# Altium PCB Graviton_11JAN15.PcbDoc (part 6 of 11)
Units mil, origin at the board's own origin, x right, y up, seen from the top; angles counter-clockwise.
Board outline 7874.02 x 7874.02 mil, 10 copper layers (Top Layer, Internal Plane 2, Signal Layer 2, Internal Plane 3, Signal Layer 4, Signal Layer 5, Internal Plane 4, Signal Layer 7, Internal Plane 1, Bottom Layer), stack 78.455 mil thick; 1275 components, 1501 nets, 7937 pads, 1712 vias.
Unrouted connection lines stored in the file: 273.
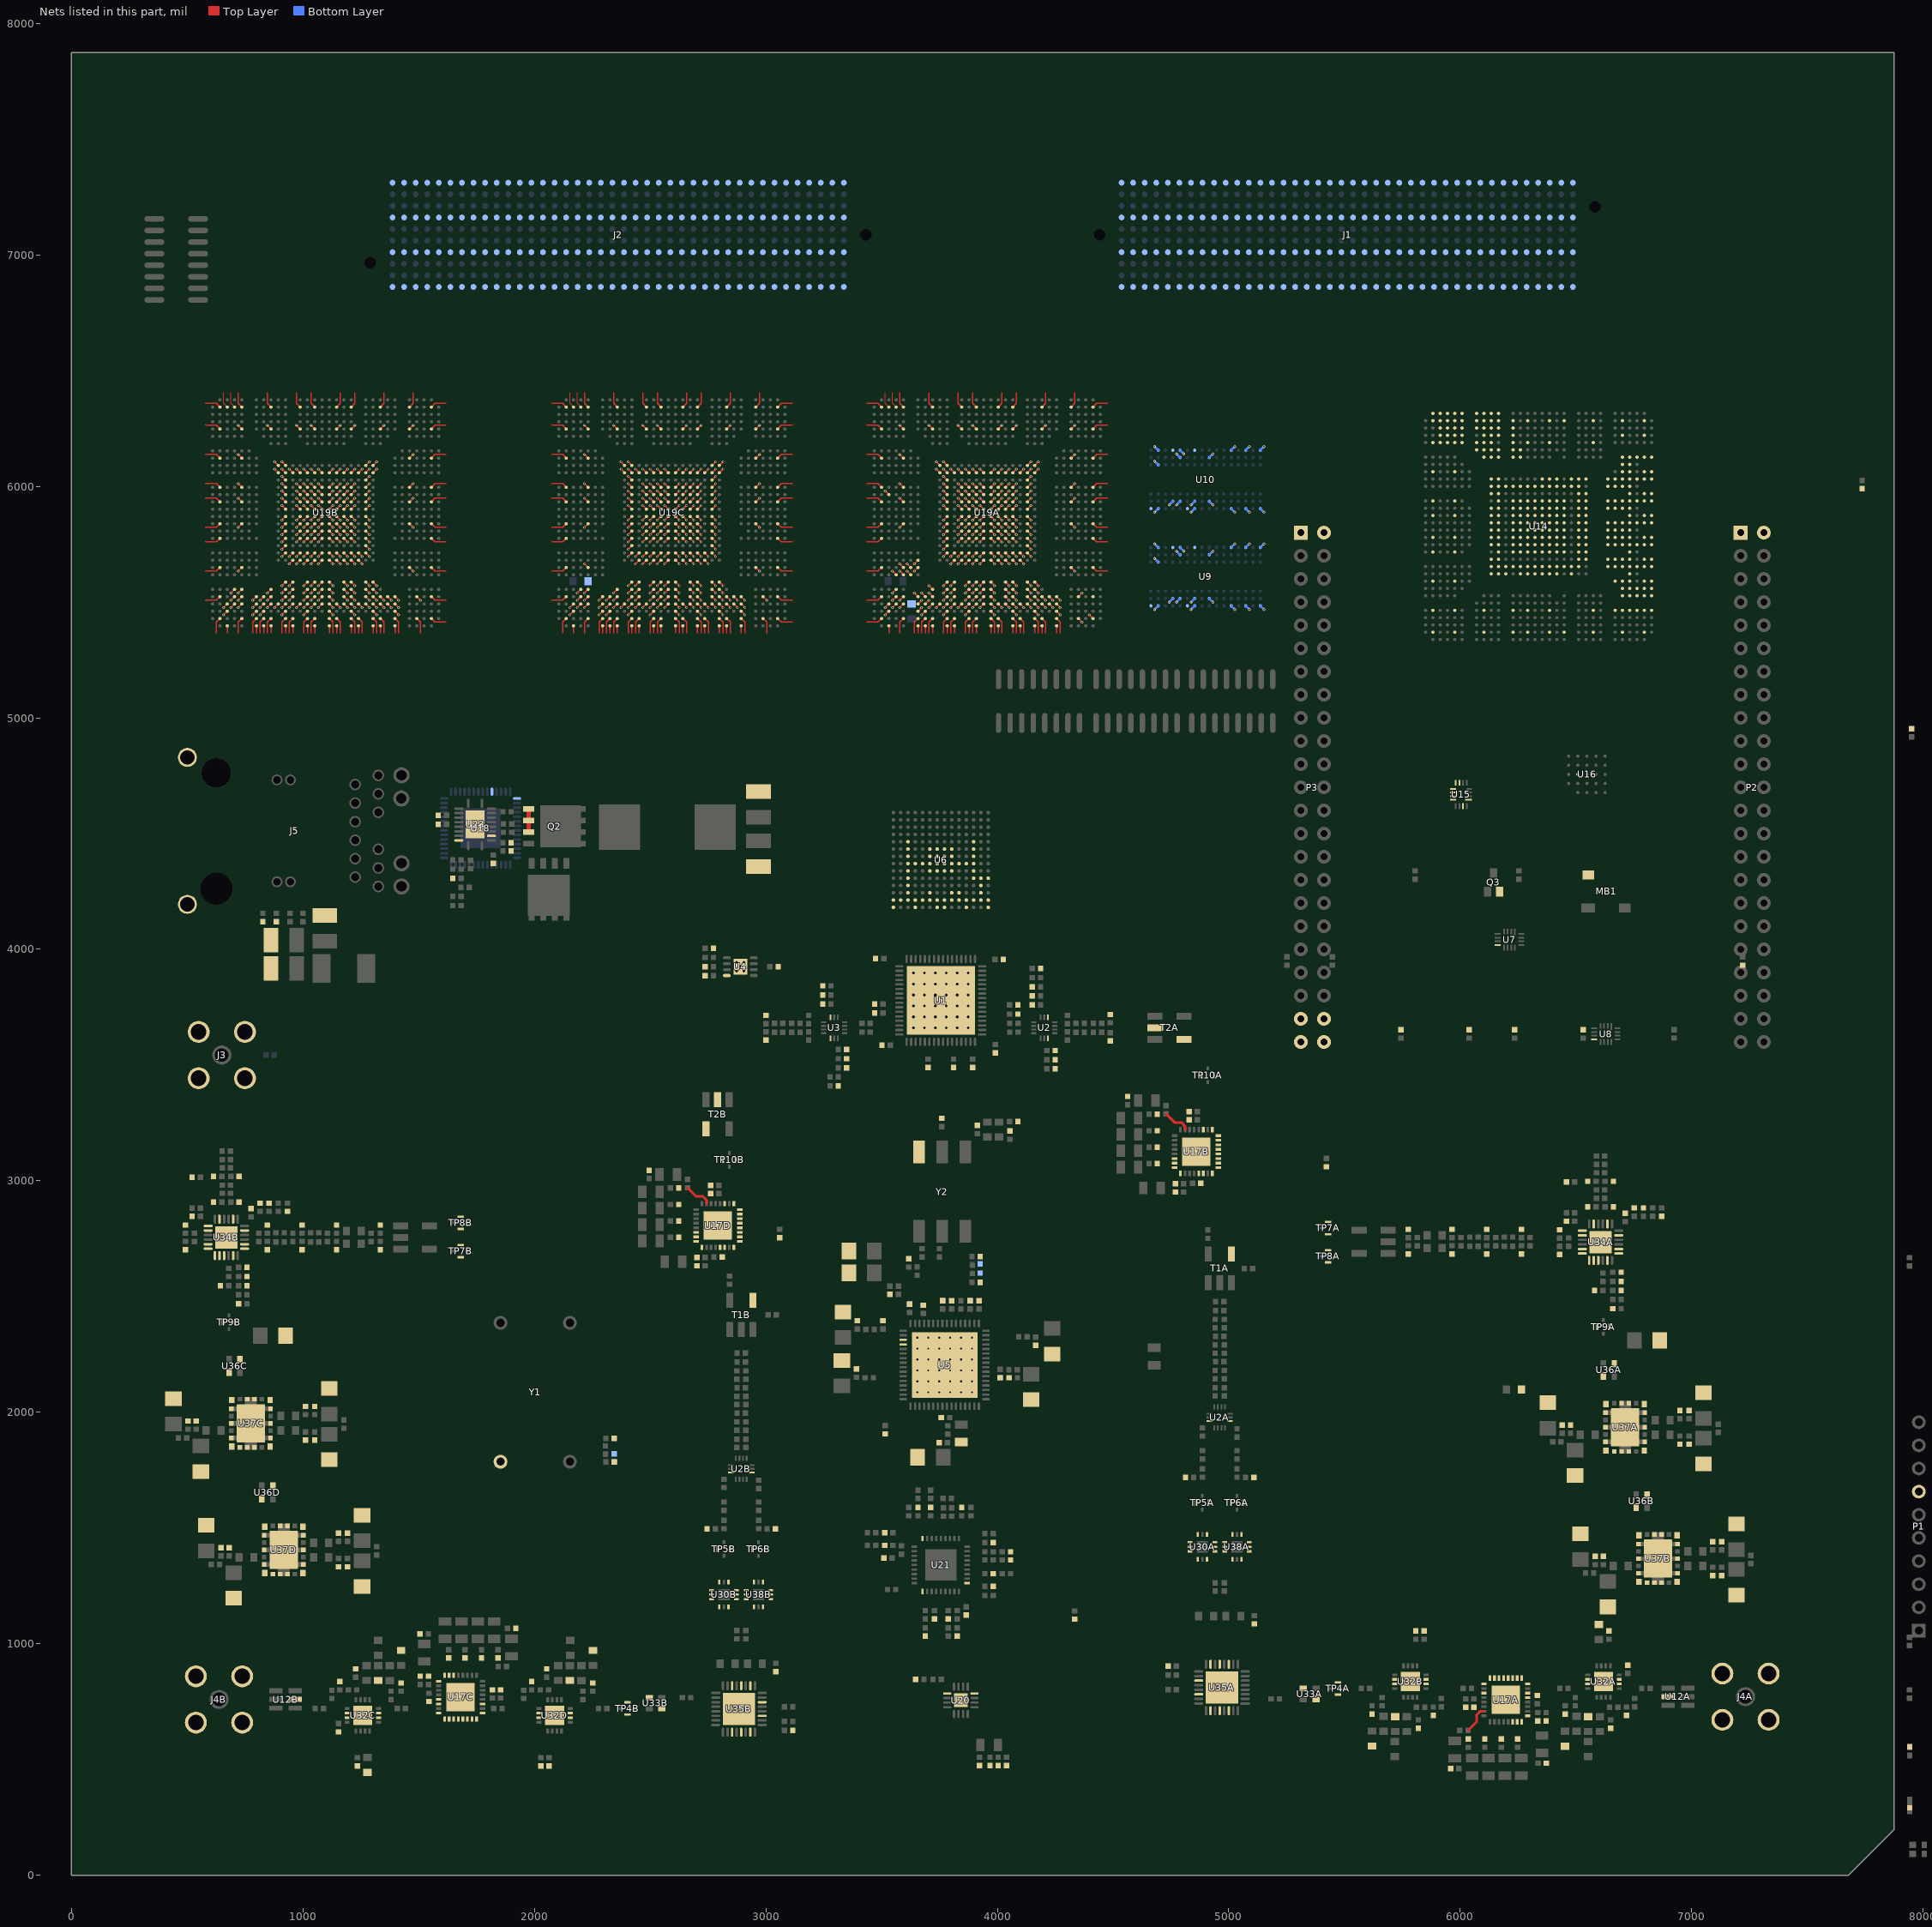
[diagram p13: the nets of this part, all layers, seen from the top]

## Via types
v1: diameter 12, hole 6, Top Layer to Bottom Layer, 1447 vias
v2: diameter 12, hole 6, Top Layer to Bottom Layer, tented top, 148 vias
v3: diameter 25.98, hole 12, Top Layer to Bottom Layer, tented top, 36 vias
v4: diameter 25.98, hole 8, Top Layer to Bottom Layer, tented top, 36 vias
v5: diameter 18, hole 8, Top Layer to Bottom Layer, 25 vias
v6: diameter 23.62, hole 11.81, Top Layer to Bottom Layer, 10 vias
v7: diameter 25, hole 11.81, Top Layer to Bottom Layer, 5 vias
v8: diameter 18, hole 8, Top Layer to Bottom Layer, tented bottom, 5 vias

## Nets (pads, with @x,y where several pads share a name; then routed paths per layer and width w, separated by ;. In a path a pad name is that pad's centre, name@x,y a point inside that pad or via, vN(x,y) a via of type N, cw(c..) or ccw(c..) an arc to the next point about the centre after c; other vN are vias at no path point) (continued)
ENET2-DDRCC6.S16: U18.15 U19A.P3 | length 22.3
  Top Layer w5: v1(3515.75,5980.32) U19A.P3@3531.5,5964.57
ENET2-DDRCC6.S41: U19A.AC7 | length 22.3
  Top Layer w5: v1(3641.73,5665.35) U19A.AC7@3657.48,5681.1
ENET2-DDRCC6.S42: U19A.AD7 | length 22.3
  Top Layer w5: v1(3641.73,5633.86) U19A.AD7@3657.48,5649.61
ENET2-DDRCC6.S43: U19A.AD6 | length 22.3
  Top Layer w5: v1(3610.24,5665.35) U19A.AD6@3625.98,5649.61
ENET2-DDRCC6.S44: U19A.AE6 | length 22.3
  Top Layer w5: v1(3610.24,5633.86) U19A.AE6@3625.98,5618.11
ENET2-DDRCC6.S45: U19A.AE5 | length 22.3
  Top Layer w5: v1(3578.74,5633.86) U19A.AE5@3594.49,5618.11
ENET2-DDRCC6.S46: U19A.AE4 | length 22.3
  Top Layer w5: v1(3547.24,5633.86) U19A.AE4@3562.99,5618.11
FPGA-CLK0_N: U13.14 U19C.B4 | length 70.1
  Top Layer w2.99: 2185.04,6406.1 2185.04,6358.27 U19C.B4@2200.79,6342.52
FPGA-CLK0_P: U13.15 U19C.B3 | length 70.1
  Top Layer w2.99: 2153.54,6406.1 2153.54,6358.27 U19C.B3@2169.29,6342.52
FPGA-CLK1_N: U13.11 U19B.B4 | length 70.1
  Top Layer w2.99: 688.98,6406.1 688.98,6358.27 U19B.B4@704.72,6342.52
FPGA-CLK1_P: U13.12 U19B.B3 | length 70.1
  Top Layer w2.99: 657.48,6406.1 657.48,6358.27 U19B.B3@673.23,6342.52
FPGA-CLK2_N: U13.9 U19A.B4 | length 70.1
  Top Layer w2.99: 3547.24,6406.1 3547.24,6358.27 U19A.B4@3562.99,6342.52
FPGA-CLK2_P: U13.10 U19A.B3 | length 70.1
  Top Layer w2.99: 3515.75,6406.1 3515.75,6358.27 U19A.B3@3531.5,6342.52
FPGA-CLK-SRC_N: U5.52 U13.1
FPGA-CLK-SRC_P: U5.51 U13.4
FPGA-JTAG-TCK-3V3: U14.AK5 U15.9
FPGA-JTAG-TDI-3V3: U14.AJ5 U15.11
FPGA-JTAG-TDO-3V3: R42.1 U14.AG5 U15.12
FPGA-JTAG-TMS-3V3: U14.AM5 U15.10
FPGA-JTAG.TDI_1: R70A.1 R71B.1 U19A.AJ5 U19B.AG5 | length 44.5
  Top Layer w5: v1(720.47,5539.37) U19B.AG5@736.22,5555.12 ; v1(3578.74,5476.38) U19A.AJ5@3594.49,5492.13
FPGA-JTAG.TDI_2: R70B.1 R71C.1 U19B.AJ5 U19C.AG5 | length 44.5
  Top Layer w5: v1(720.47,5476.38) U19B.AJ5@736.22,5492.13 ; v1(2216.54,5539.37) U19C.AG5@2232.28,5555.12
FPGA-JTAG.TDO: R70C.1 U15.1 U19C.AJ5 | length 22.3
  Top Layer w5: v1(2216.54,5476.38) U19C.AJ5@2232.28,5492.13
FPGACFG0.CCLK: R76C.2 U14.C30 U19C.AM3 | length 32.1
  Top Layer w4.72: 2169.29,5365.55 U19C.AM3@2169.29,5397.64
FPGACFG0.DI: U14.D29 U19C.AJ3 | length 22.3
  Top Layer w5: v1(2153.54,5476.38) U19C.AJ3@2169.29,5492.13
FPGACFG0.DONE: U14.C29 U19C.AJ4 | length 22.3
  Top Layer w5: v1(2185.04,5476.38) U19C.AJ4@2200.79,5492.13
FPGACFG0.DOUT: U14.E29 U19C.AK3 | length 22.3
  Top Layer w5: v1(2153.54,5444.88) U19C.AK3@2169.29,5460.63
FPGACFG0.INITN: R67C.1 U14.D28 U19C.AG4 | length 22.3
  Top Layer w5: v1(2185.04,5539.37) U19C.AG4@2200.79,5555.12
FPGACFG0.PROGN: R69C.1 U14.C28 U19C.AH4 | length 22.3
  Top Layer w5: v1(2185.04,5507.87) U19C.AH4@2200.79,5523.62
FPGACFG1.CCLK: R76B.2 U14.C31 U19B.AM3 | length 32.1
  Top Layer w4.72: 673.23,5365.55 U19B.AM3@673.23,5397.64
FPGACFG1.DI: U14.D30 U19B.AJ3 | length 22.3
  Top Layer w5: v1(657.48,5476.38) U19B.AJ3@673.23,5492.13
FPGACFG1.DONE: U14.B32 U19B.AJ4 | length 22.3
  Top Layer w5: v1(688.98,5476.38) U19B.AJ4@704.72,5492.13
FPGACFG1.DOUT: U14.D31 U19B.AK3 | length 22.3
  Top Layer w5: v1(657.48,5444.88) U19B.AK3@673.23,5460.63
FPGACFG1.INITN: R67B.1 U14.F28 U19B.AG4 | length 22.3
  Top Layer w5: v1(688.98,5539.37) U19B.AG4@704.72,5555.12
FPGACFG1.PROGN: R69B.1 U14.F29 U19B.AH4 | length 22.3
  Top Layer w5: v1(688.98,5507.87) U19B.AH4@704.72,5523.62
FPGACFG2.CCLK: R76A.2 U14.D32 U19A.AM3 | length 32.1
  Top Layer w4.72: 3531.5,5365.55 U19A.AM3@3531.5,5397.64
FPGACFG2.DI: U14.F31 U19A.AJ3 | length 22.3
  Top Layer w5: v1(3515.75,5476.38) U19A.AJ3@3531.5,5492.13
FPGACFG2.DONE: U14.C32 U19A.AJ4 | length 22.3
  Top Layer w5: v1(3547.24,5476.38) U19A.AJ4@3562.99,5492.13
FPGACFG2.DOUT: U14.E32 U19A.AK3 | length 22.3
  Top Layer w5: v1(3515.75,5444.88) U19A.AK3@3531.5,5460.63
FPGACFG2.INITN: R67A.1 U14.E30 U19A.AG4 | length 22.3
  Top Layer w5: v1(3547.24,5539.37) U19A.AG4@3562.99,5555.12
FPGACFG2.PROGN: R69A.1 U14.F30 U19A.AH4 | length 22.3
  Top Layer w5: v1(3547.24,5507.87) U19A.AH4@3562.99,5523.62
FPGACFG3.CCLK: U14.H30
FPGACFG3.DI: U14.J30
FPGACFG3.DONE: U14.H31
FPGACFG3.DOUT: U14.K30
FPGACFG3.INITN: U14.H32
FPGACFG3.PROGN: U14.F32
FPGACFG4.CCLK: U14.L32
FPGACFG4.DI: U14.L31
FPGACFG4.DONE: U14.K32
FPGACFG4.DOUT: U14.L30
FPGACFG4.INITN: U14.J32
FPGACFG4.PROGN: U14.K31
FPGACFG5.CCLK: U14.H28
FPGACFG5.DI: U14.J26
FPGACFG5.DONE: U14.H27
FPGACFG5.DOUT: U14.J27
FPGACFG5.INITN: U14.K29
FPGACFG5.PROGN: U14.J29
FPGACFG6.CCLK: U14.L29
FPGACFG6.DI: U14.N30
FPGACFG6.DONE: U14.K28
FPGACFG6.DOUT: U14.N29
FPGACFG6.INITN: U14.K26
FPGACFG6.PROGN: U14.K27
FPGACFG7.CCLK: U14.N26
FPGACFG7.DI: U14.P27
FPGACFG7.DONE: U14.N27
FPGACFG7.DOUT: U14.P26
FPGACFG7.INITN: U14.L27
FPGACFG7.PROGN: U14.L26